# Altium PCB Scaffold.PcbDoc (part 1 of 3)
Units mm, origin at the board's own origin, x right, y up, seen from the top; angles counter-clockwise.
Board outline 195 x 150 mm, 4 copper layers (Top Layer, GND, Power, Bottom Layer), stack 1.429 mm thick; 332 components, 196 nets, 1081 pads, 626 vias.
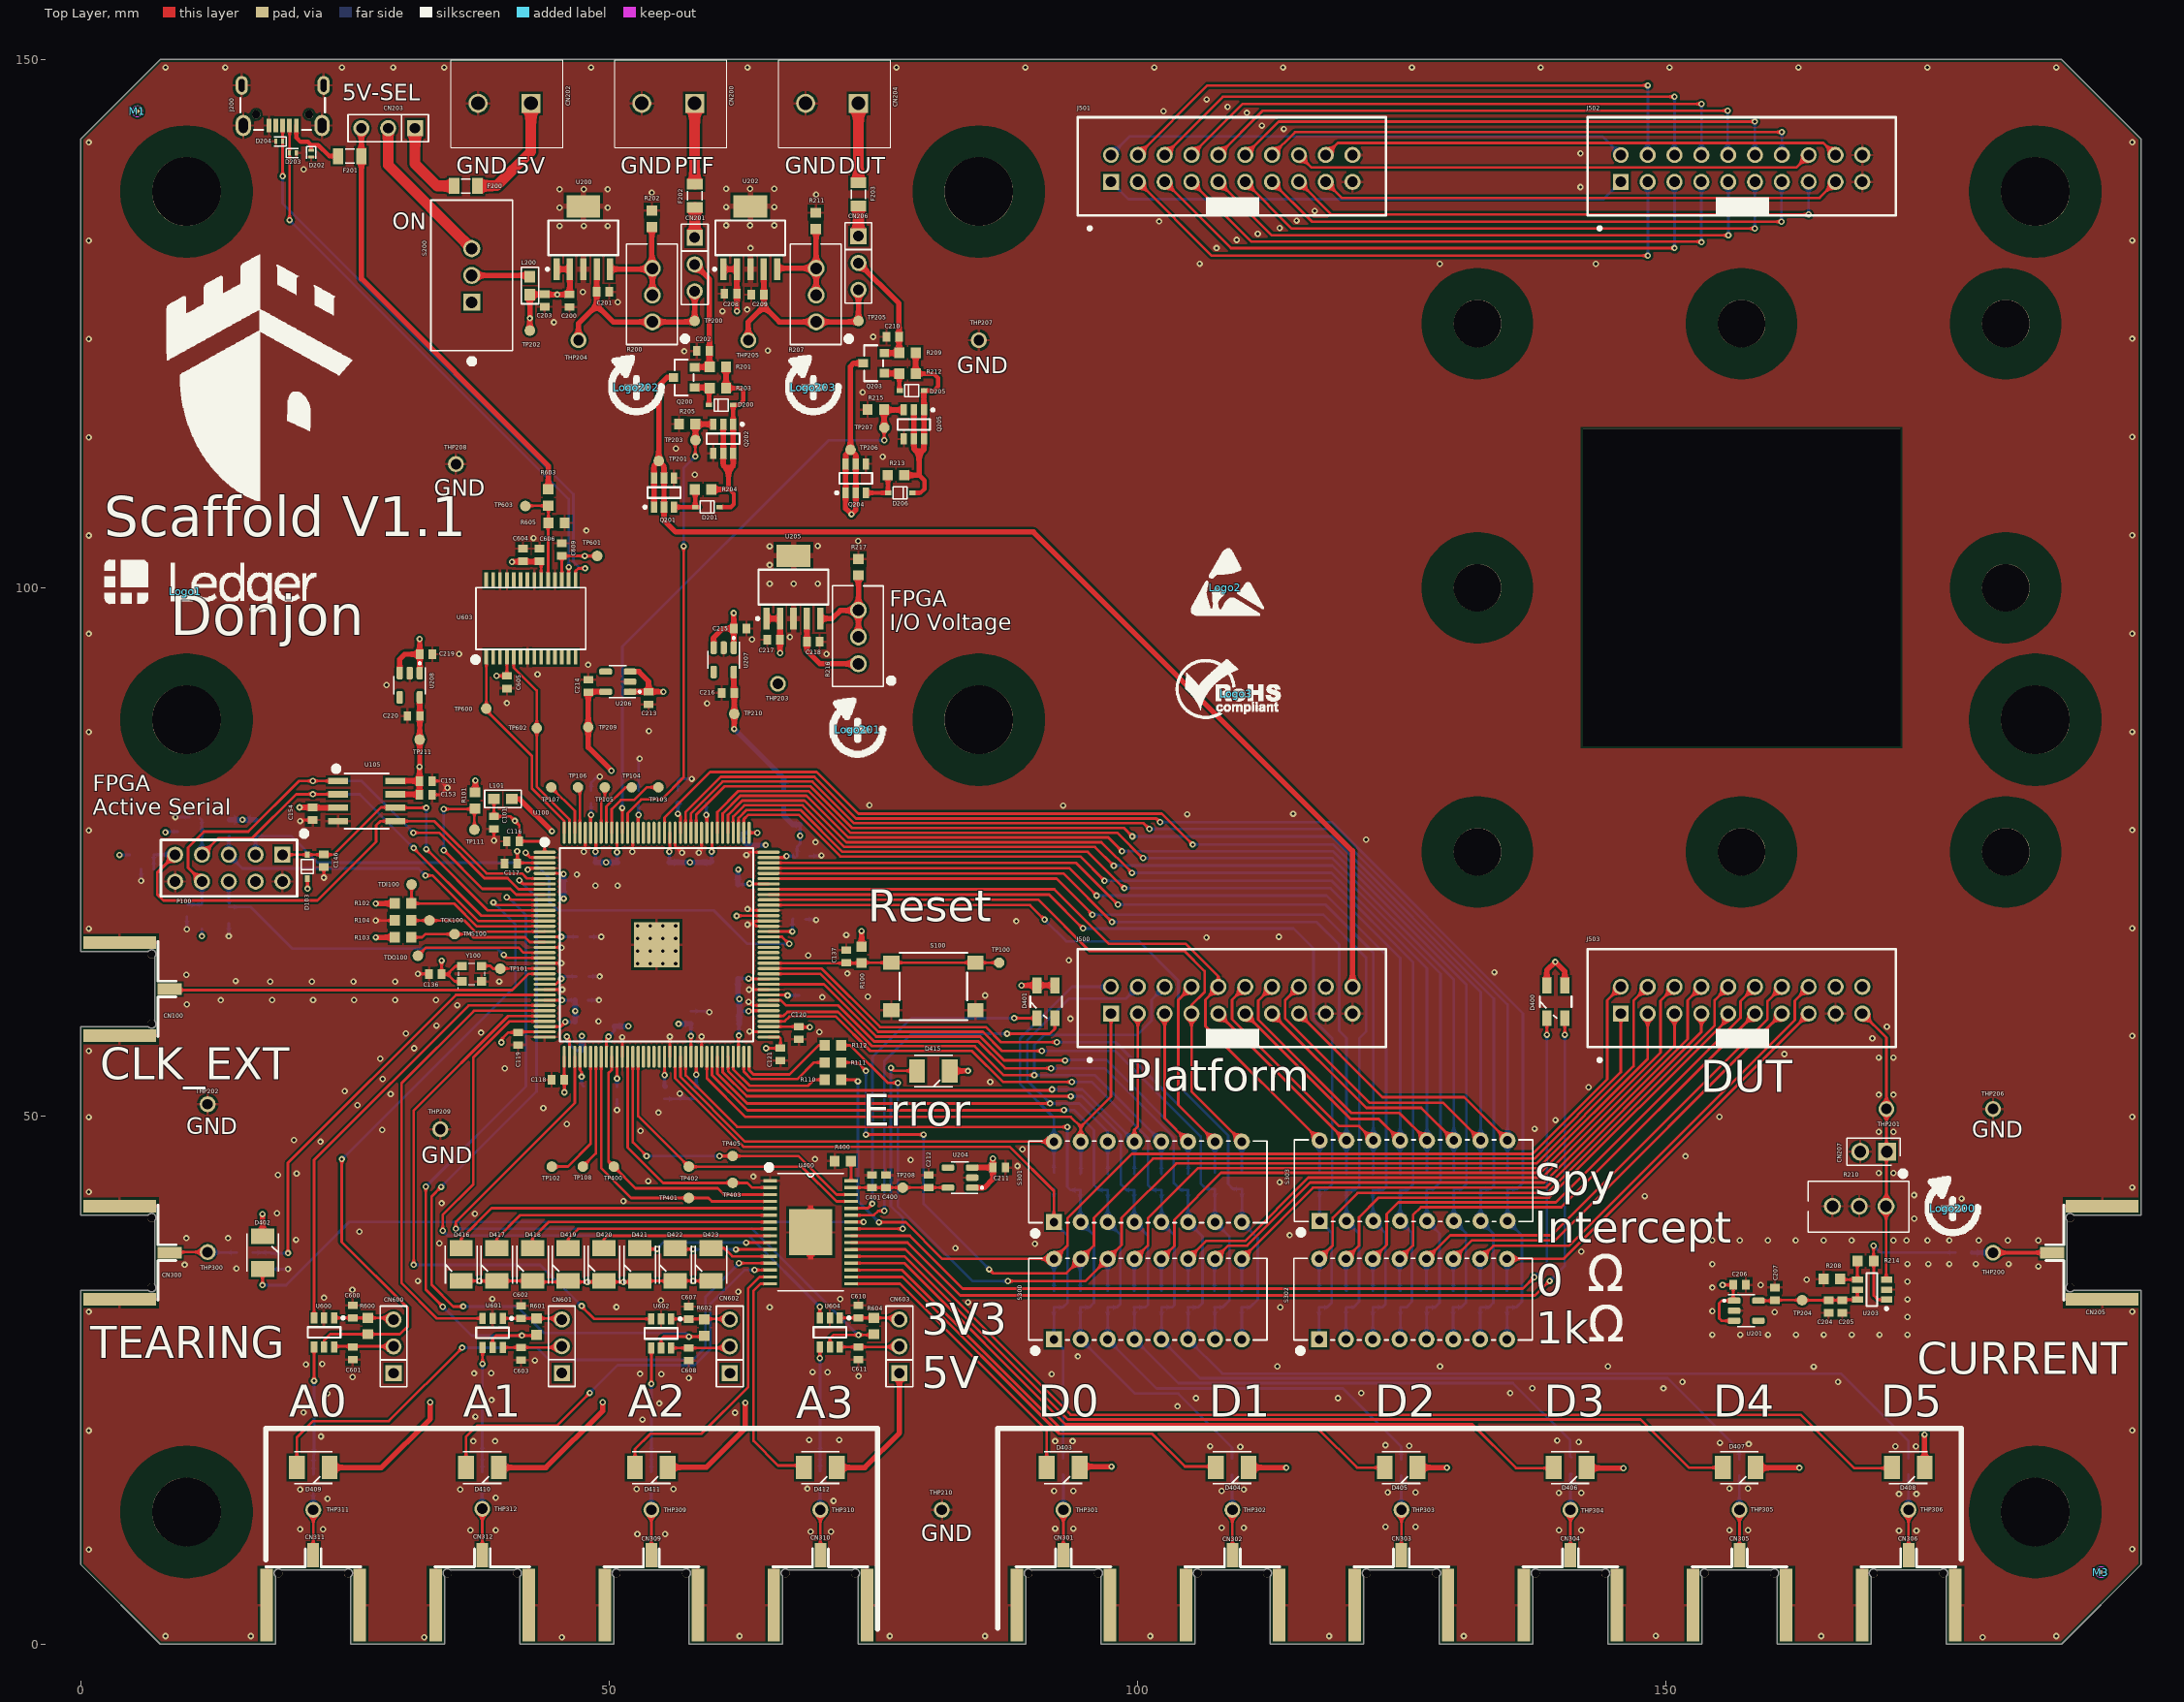
[diagram p0: Top Layer view]
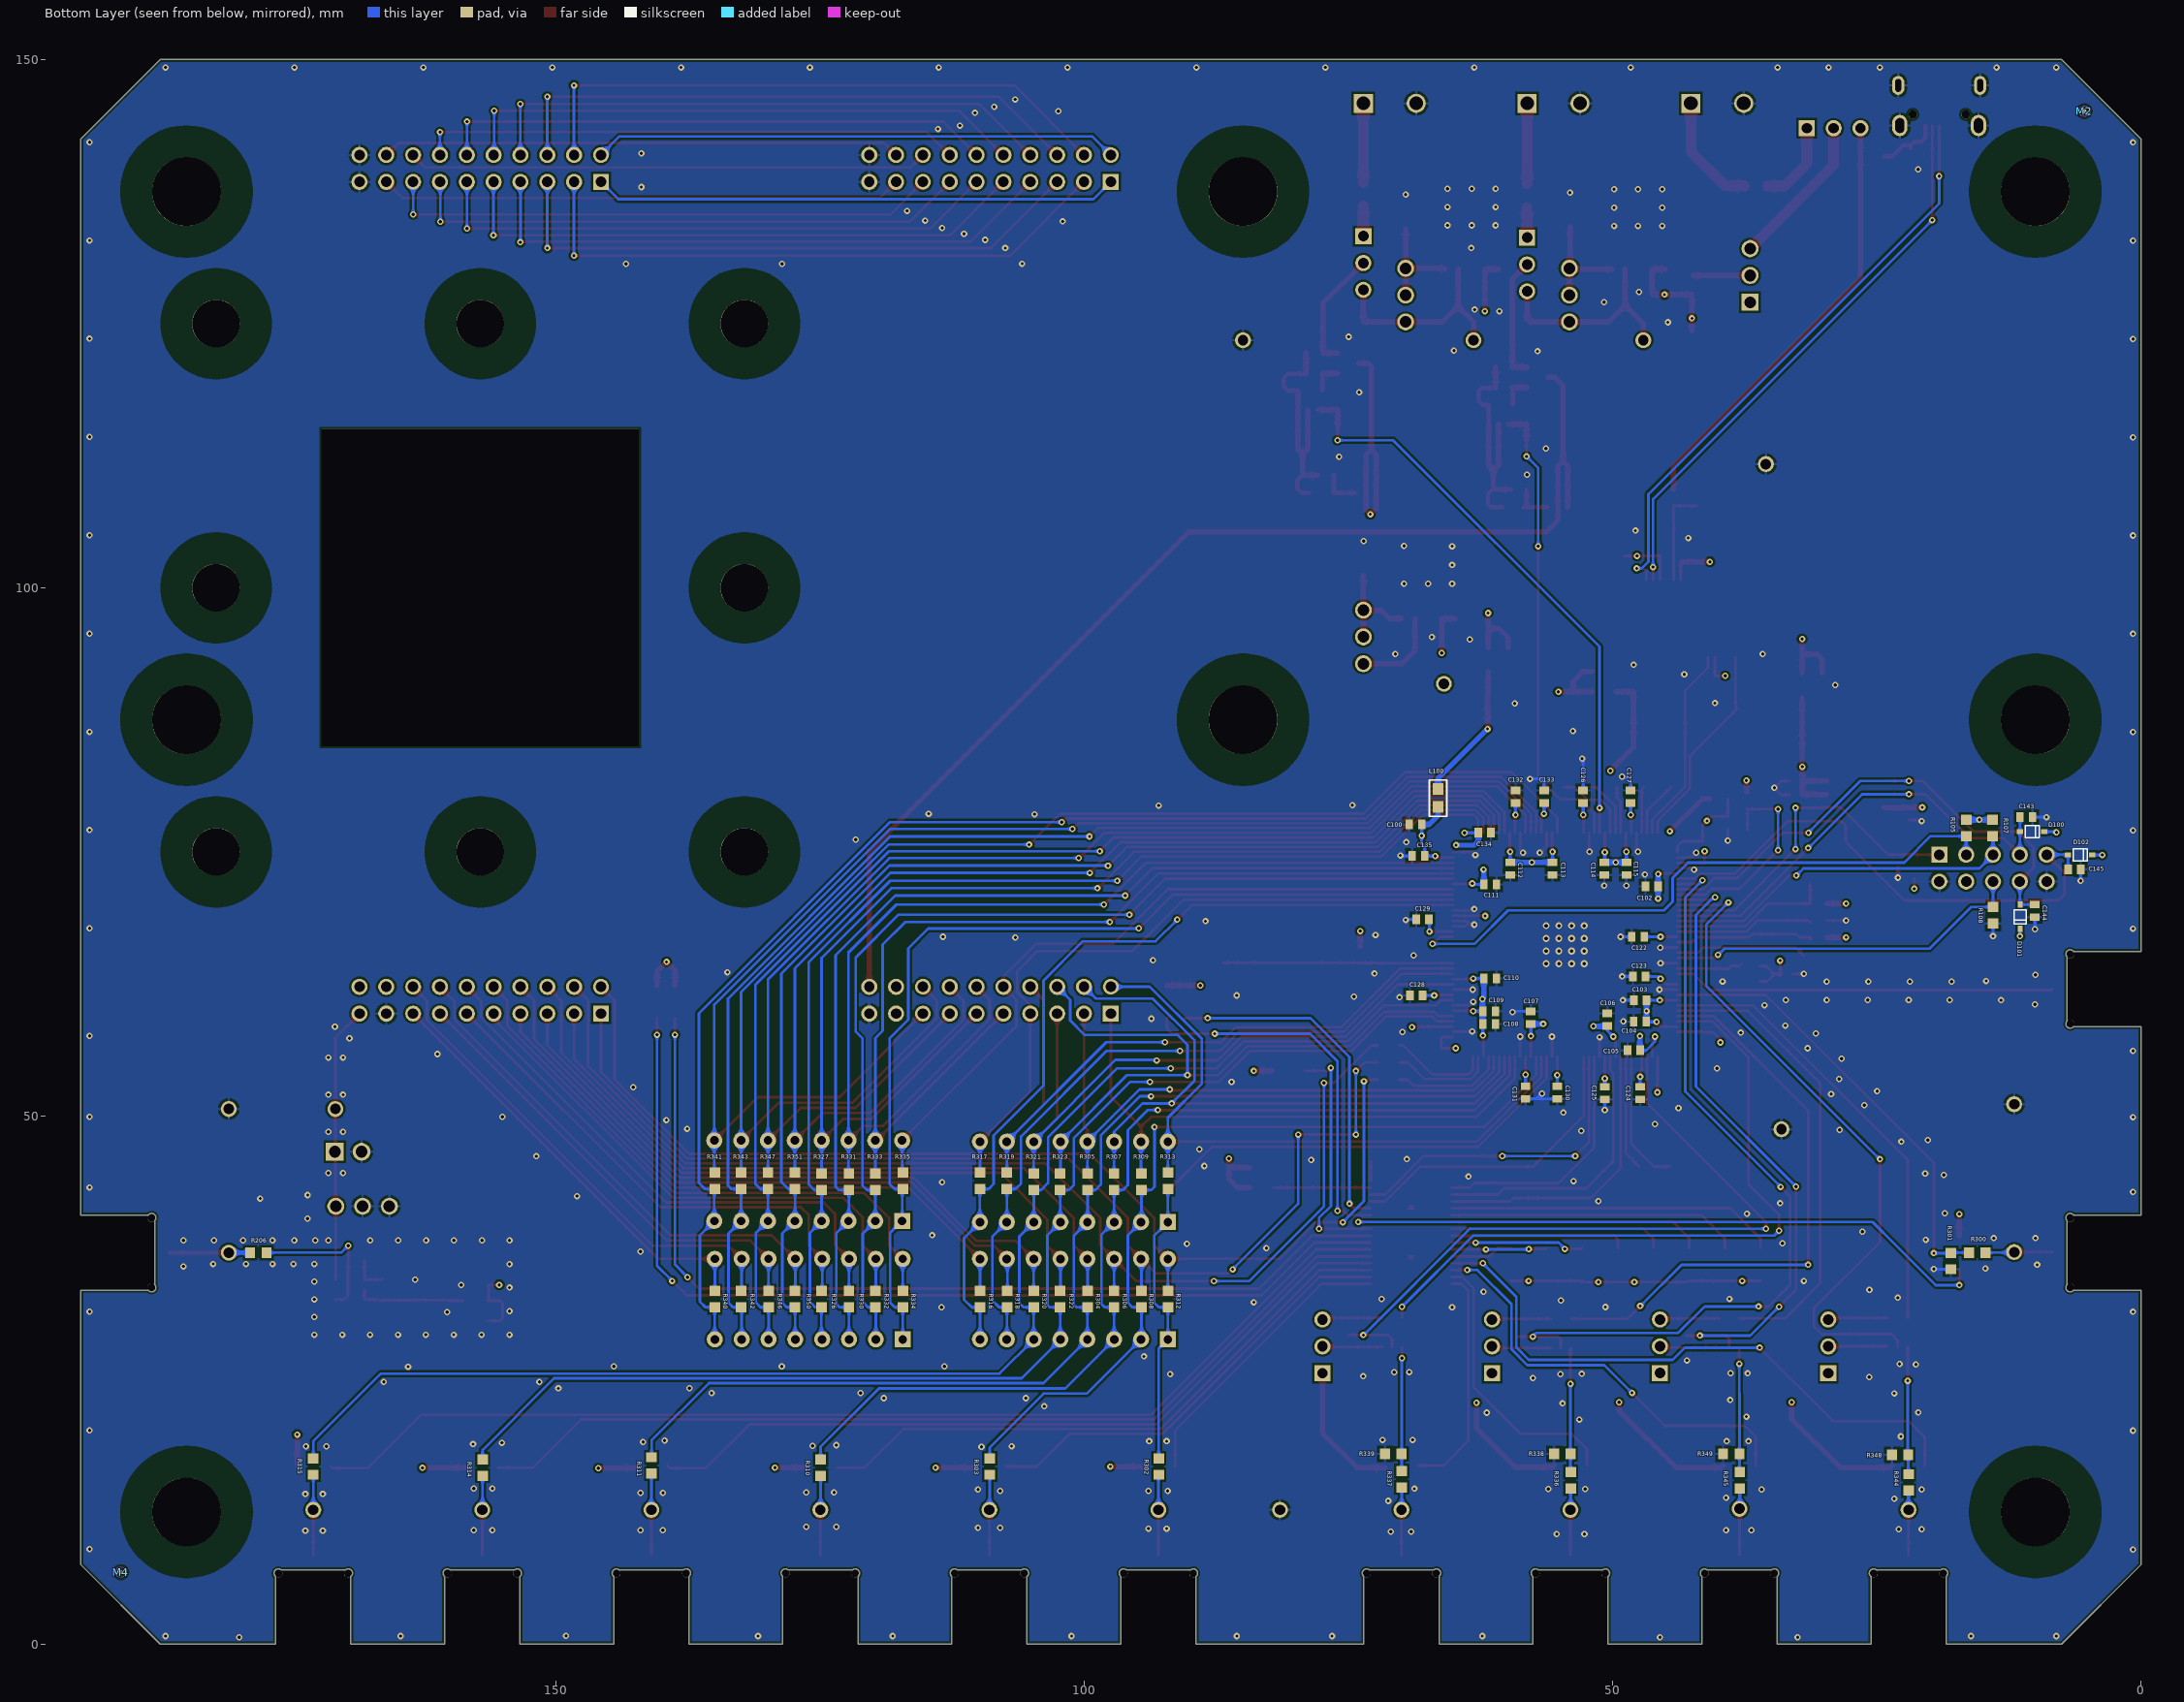
[diagram p1: Bottom Layer view, seen from below]
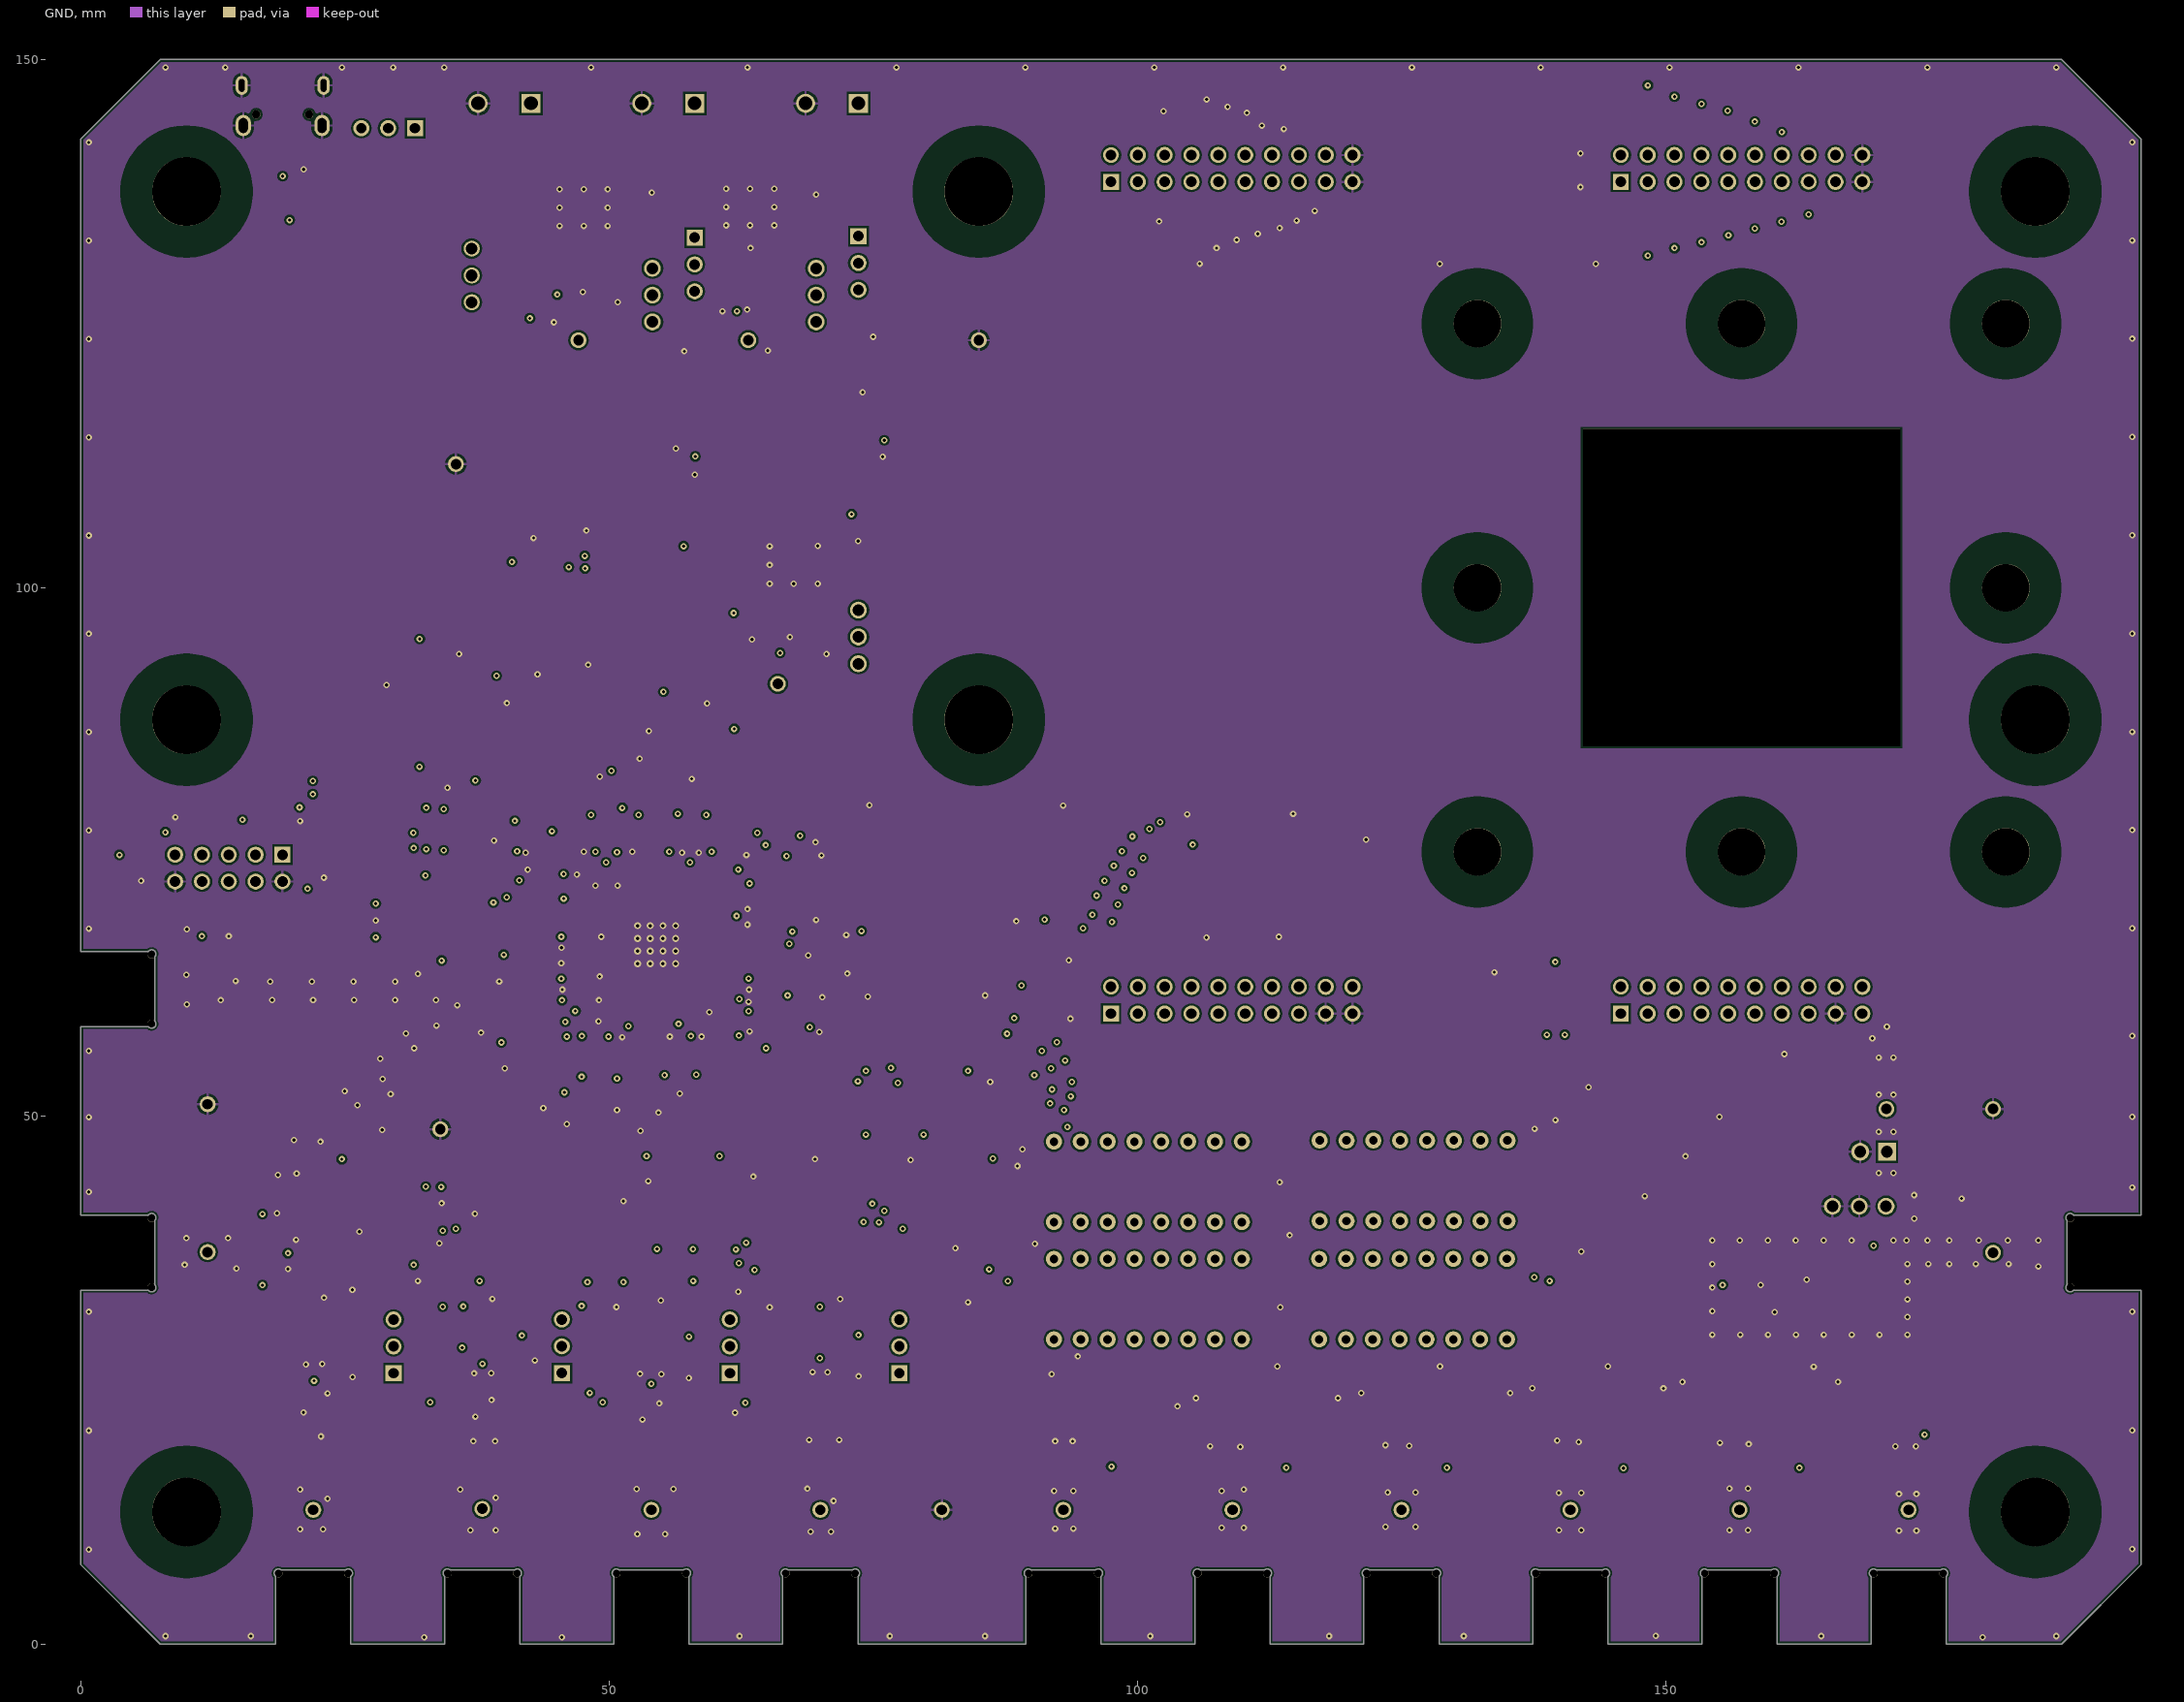
[diagram p2: GND]
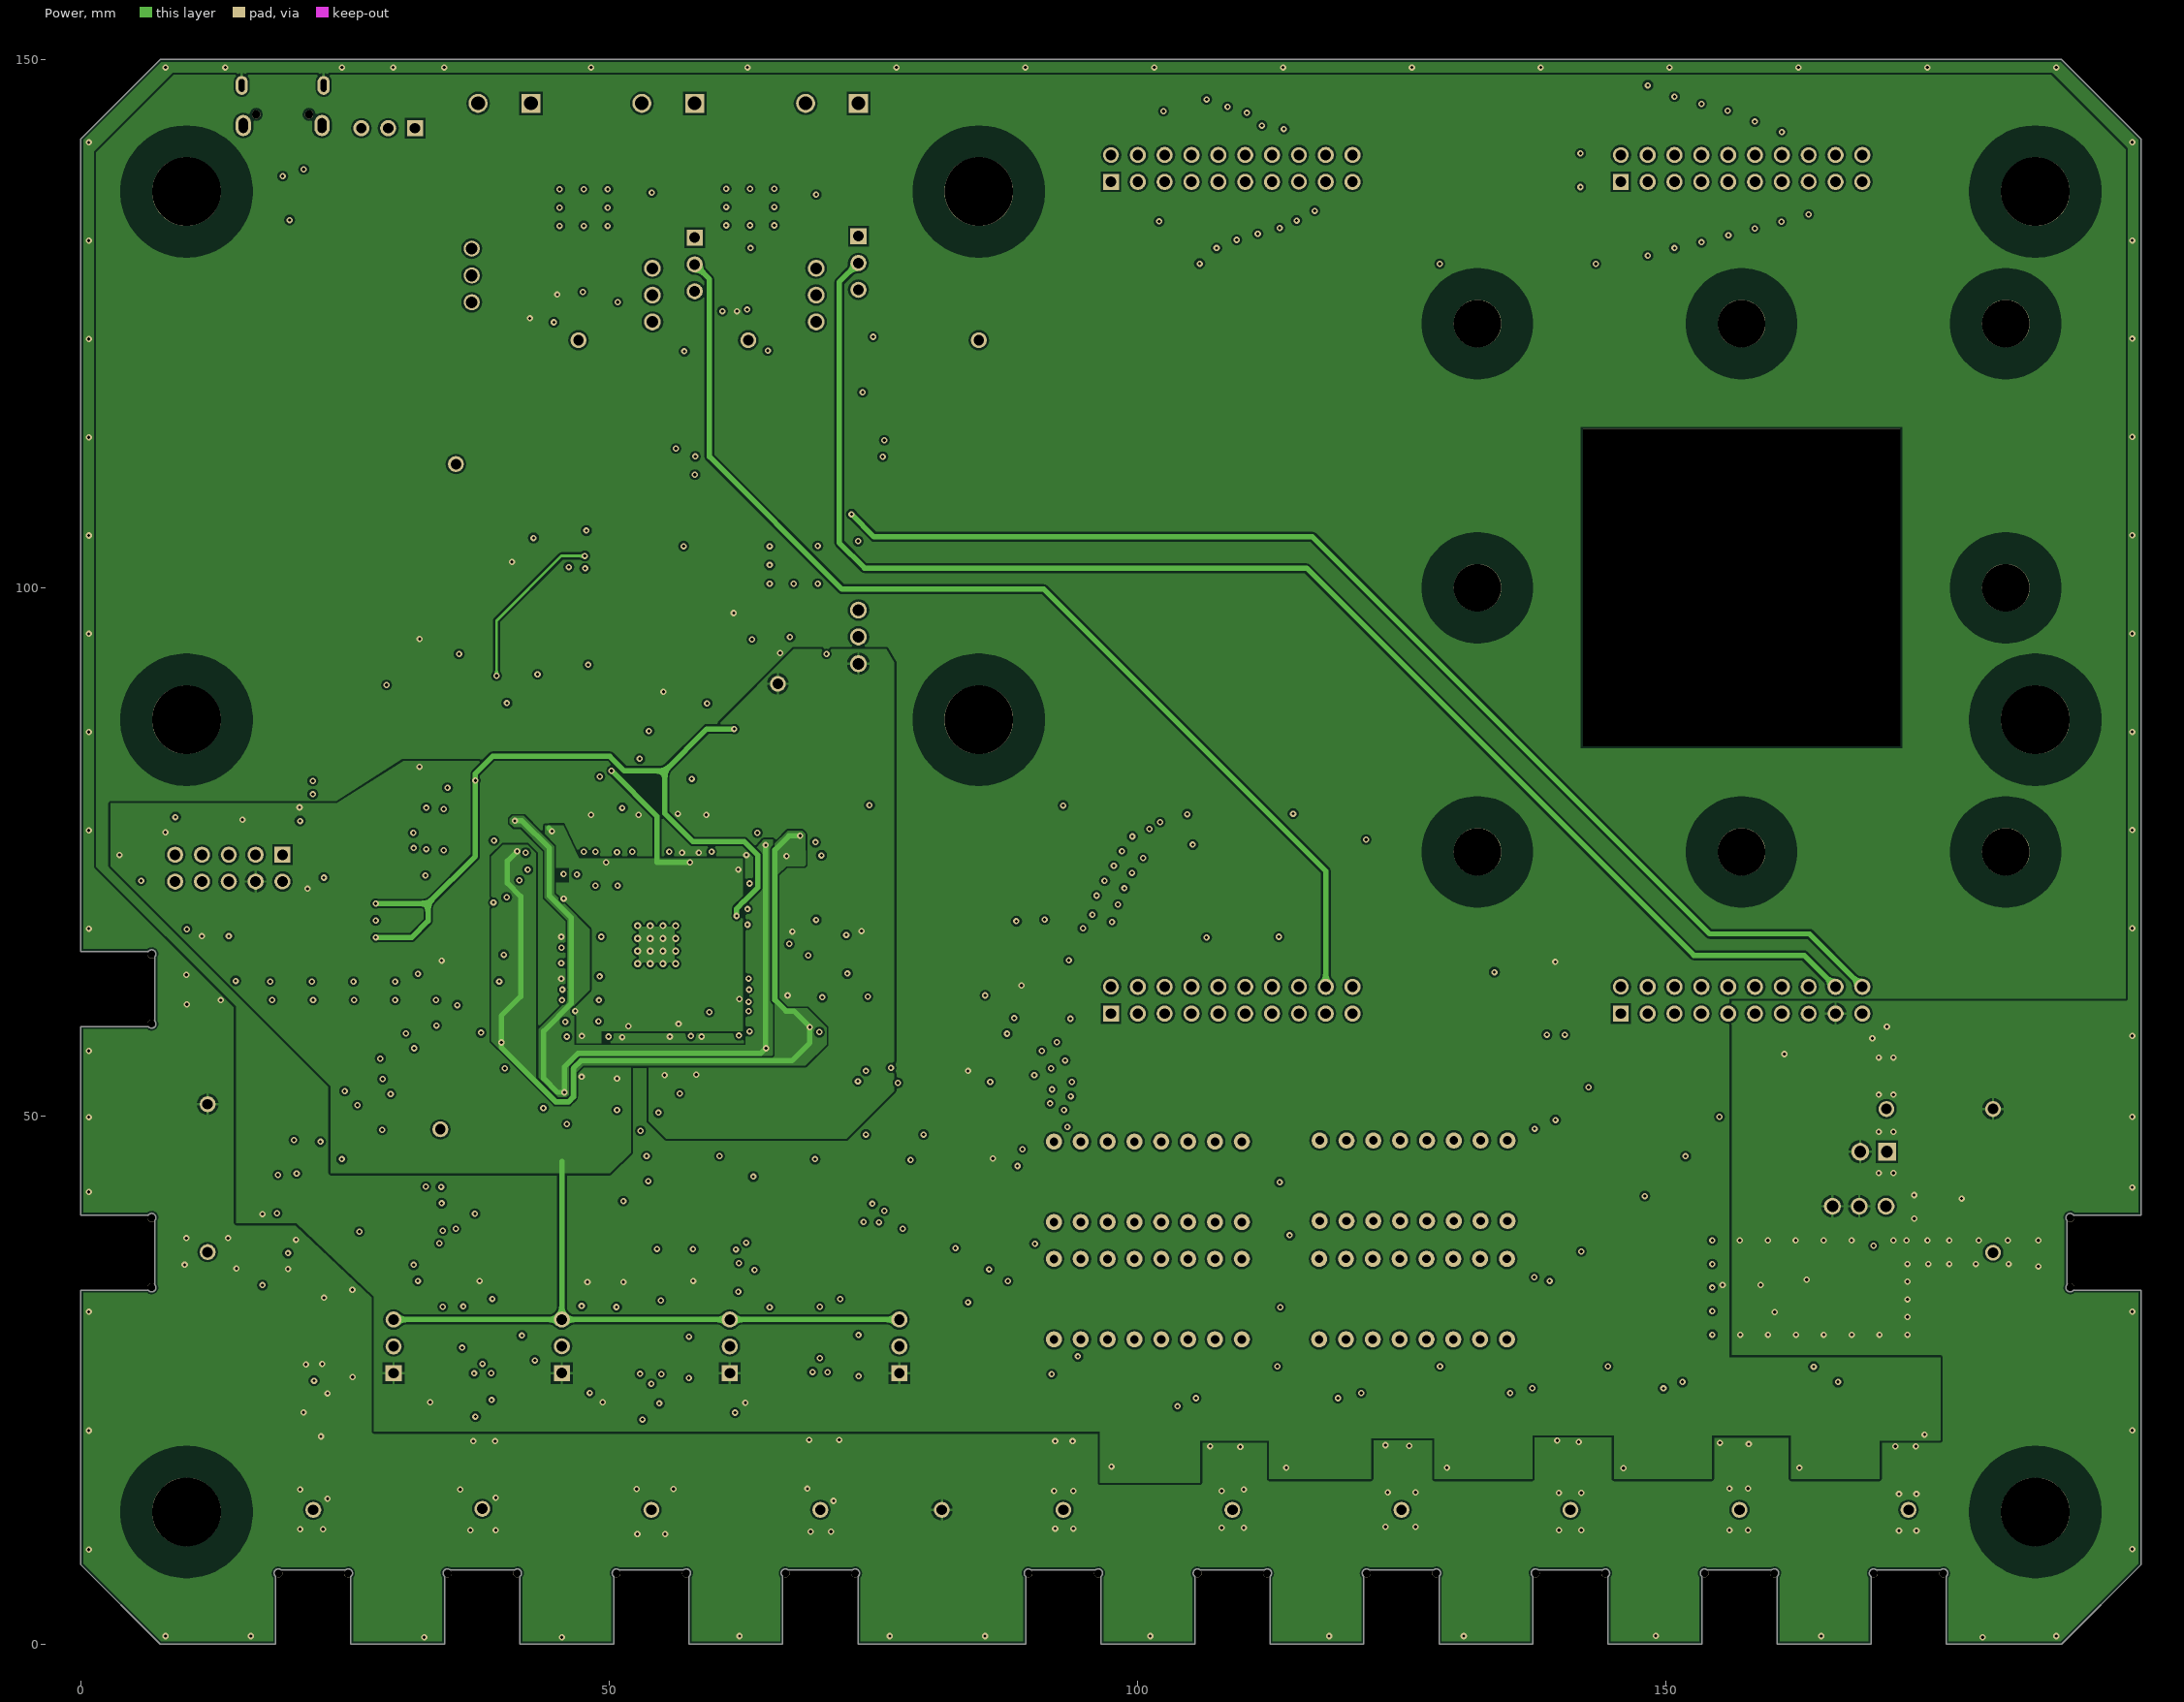
[diagram p3: Power]
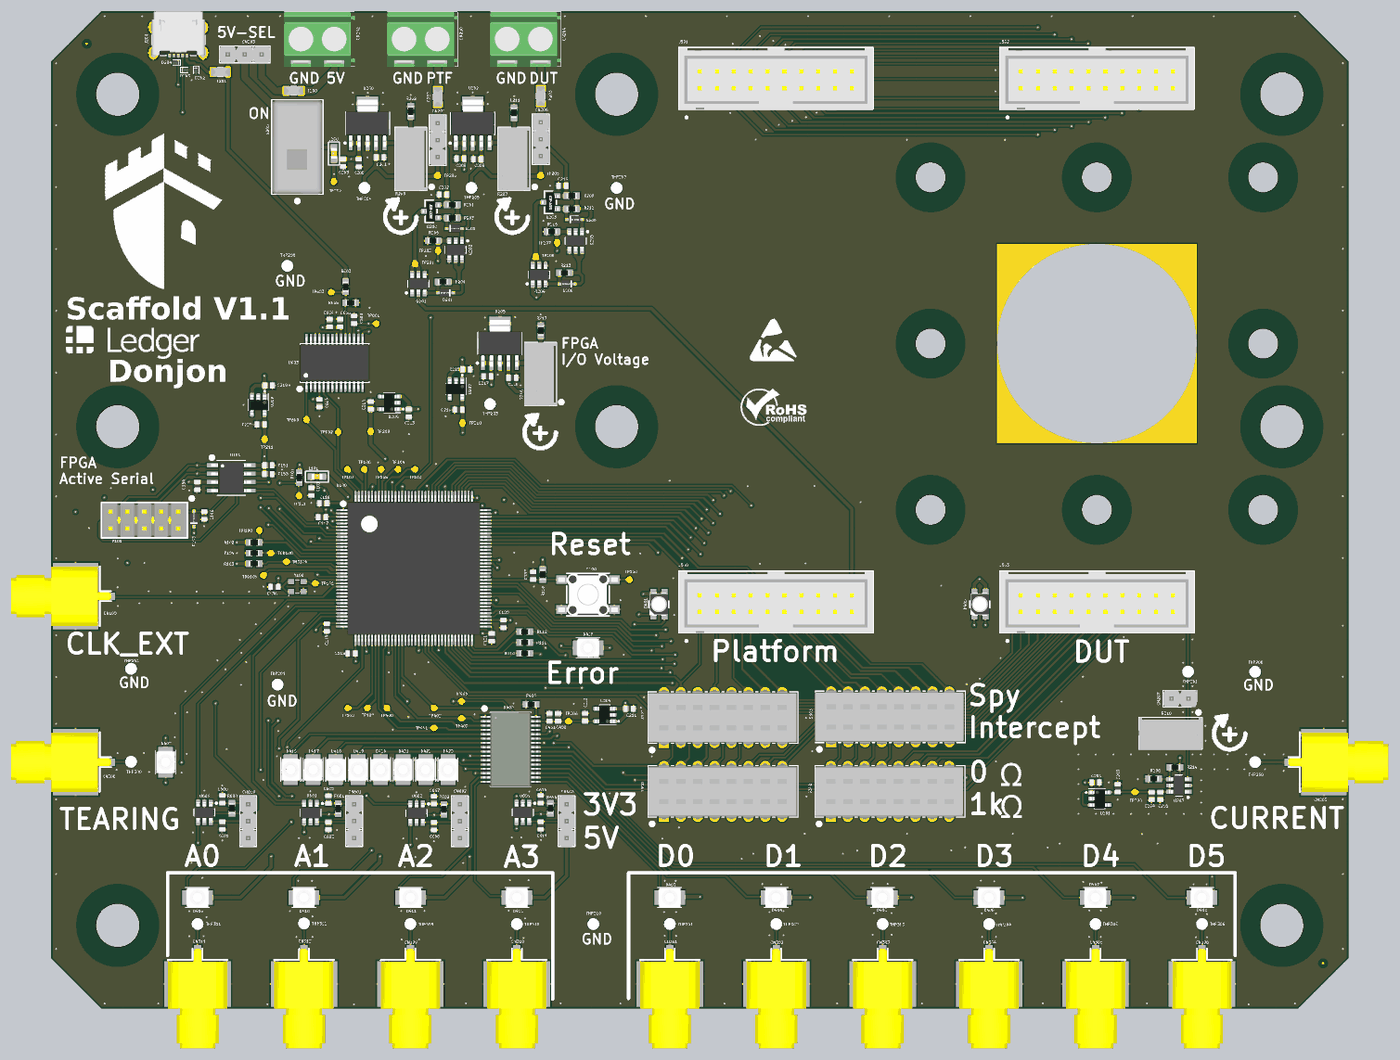
[diagram p6: 3D render of the assembled board from above, using the file's embedded part models]
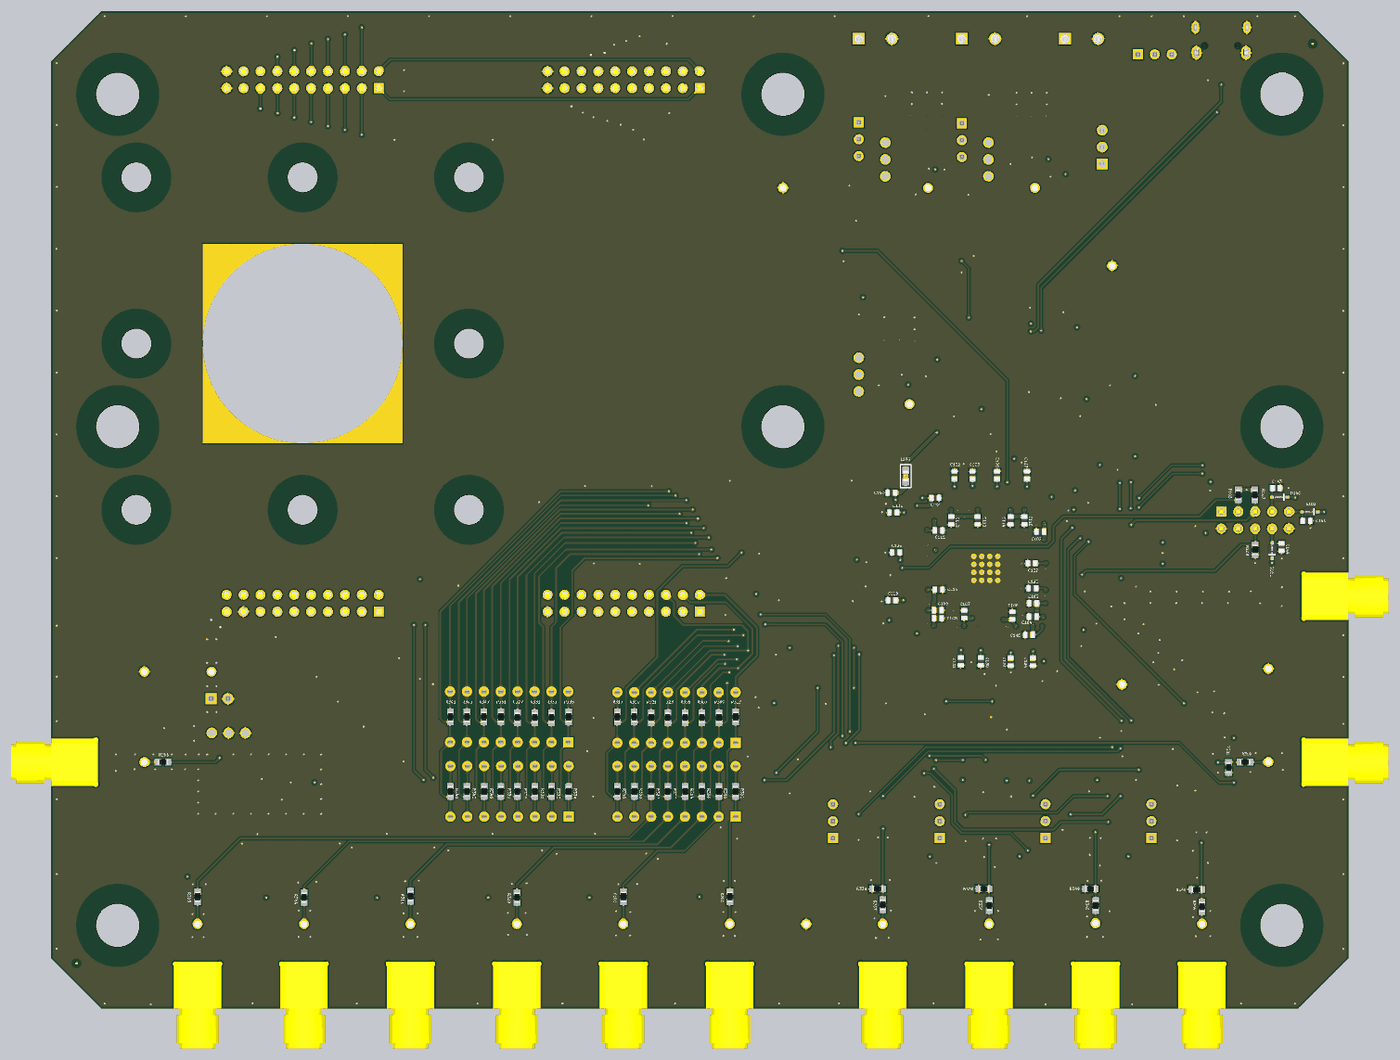
[diagram p7: 3D render of the assembled board from below, using the file's embedded part models]

## Layer stack, top to bottom
Top Solder: solder mask 0.0102, Solder Resist, Dk 3.5
Top Layer: signal copper 0.0356
Dielectric 1: core 0.288, FR-4, Dk 4.2
GND: signal copper 0.036
Dielectric 3: prepreg 0.71, Dk 4.2
Power: signal copper 0.036
Dielectric 2: core 0.288, FR-4, Dk 4.2
Bottom Layer: signal copper 0.0356
Bottom Solder: solder mask 0.0102, Solder Resist, Dk 3.5
